# KiCad board JumperlessV5r6.kicad_pcb (continued)
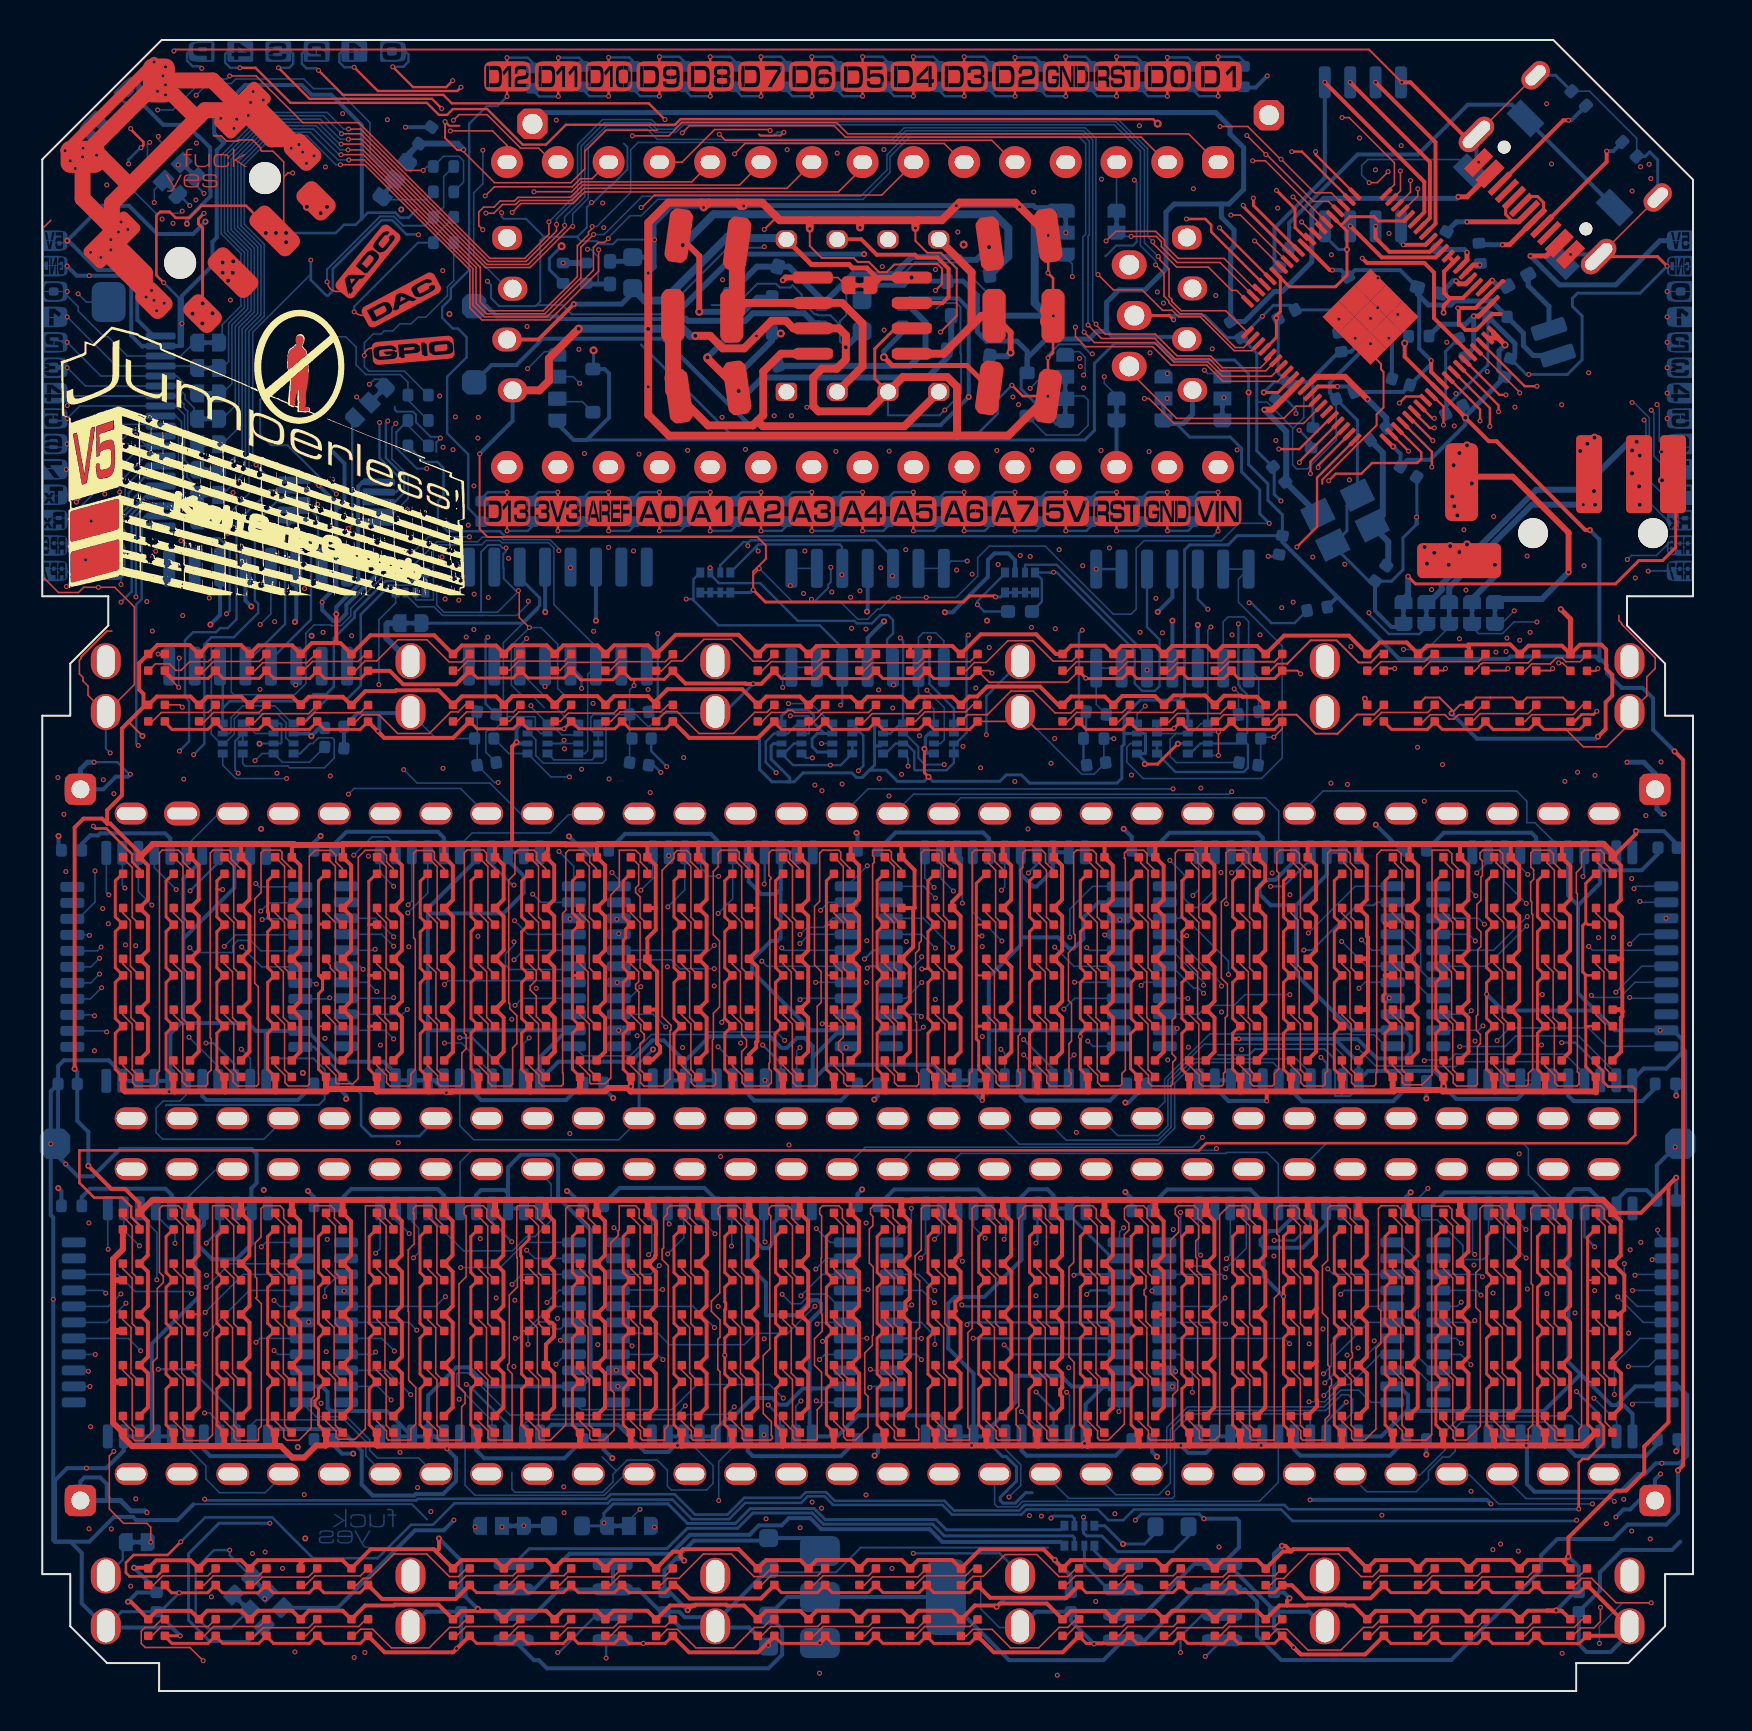
[diagram p0: board, top side]
## Routing (per net, layer and track width the routed paths; a pad name or vN(x,y) marks a point on that pad's centre or on a via; arc(x,y) is an arc through that point) (continued)
Net-(D1711-DOUT): length 3.7
  Top w0.08: 8.64,6.11 8.28,5.76 6.02,5.76 5.55,5.29 5.28,5.29
Net-(D1712-DOUT): length 3.7
  Top w0.08: 11.18,6.11 10.82,5.76 8.55,5.76 8.08,5.29 7.82,5.29 7.81,5.28
Net-(D1713-DOUT): length 3.7
  Top w0.08: 10.35,5.28 10.36,5.29 10.59,5.29 11,5.7 13.3,5.7 13.72,6.11
Net-(D1714-DOUT): length 3.7
  Top w0.08: 12.89,5.28 13.15,5.28 13.63,5.76 15.9,5.76 16.26,6.11
Net-(D1715-DOUT): length 7.2
  Top w0.08: D1716.4 21.22,6.13 20.81,5.72 20.36,5.72 19.23,6.85 17.59,6.85 16.37,5.64 16.05,5.64 15.71,5.3 D1715.1
Net-(D1716-DOUT): length 3.7
  Top w0.08: 23.89,6.12 23.54,5.77 21.19,5.77 20.73,5.3 D1716.1
Net-(D1717-DOUT): length 3.7
  Top w0.08: 23.06,5.29 23.07,5.3 23.34,5.3 23.8,5.77 26.08,5.77 26.43,6.12
Net-(D1718-DOUT): length 3.7
  Top w0.08: 28.97,6.12 28.56,5.71 26.28,5.71 25.88,5.3 25.61,5.3 25.6,5.29
Net-(D1719-DOUT): length 3.7
  Top w0.08: 31.51,6.12 31.16,5.77 28.88,5.77 28.41,5.29 28.14,5.29
Net-(D1720-DOUT): length 7.2
  Top w0.08: D1720.1 30.93,5.3 31.26,5.64 31.84,5.64 33.06,6.85 34.46,6.85 35.59,5.72 36.05,5.72 36.46,6.13 D1721.4
Net-(D1721-DOUT): length 3.7
  Top w0.08: 39.13,6.12 38.78,5.77 36.43,5.77 35.97,5.3 D1721.1
Net-(D1722-DOUT): length 3.7
  Top w0.08: 38.3,5.29 38.31,5.3 38.58,5.3 39.04,5.77 41.32,5.77 41.67,6.12
Net-(D1723-DOUT): length 3.7
  Top w0.08: 44.21,6.12 43.8,5.71 41.52,5.71 41.12,5.3 40.85,5.3 40.84,5.29
Net-(D1724-DOUT): length 3.7
  Top w0.08: 43.38,5.29 43.65,5.29 44.12,5.76 46.18,5.76 46.53,6.12 46.75,6.12
Net-(D1725-DOUT): length 7.2
  Top w0.08: D1725.1 46.1,5.29 46.54,5.73 47.06,5.73 48.15,6.82 49.73,6.82 50.84,5.72 51.29,5.72 51.7,6.13 D1726.4
Net-(D1726-DOUT): length 3.7
  Top w0.08: 54.37,6.12 54.02,5.77 51.67,5.77 51.21,5.3 D1726.1
Net-(D1727-DOUT): length 3.7
  Top w0.08: 53.54,5.29 53.55,5.3 53.82,5.3 54.28,5.77 56.56,5.77 56.91,6.12
Net-(D1728-DOUT): length 3.7
  Top w0.08: 59.45,6.12 59.04,5.71 56.76,5.71 56.36,5.3 56.09,5.3 56.08,5.29
Net-(D1729-DOUT): length 3.7
  Top w0.08: 61.99,6.12 61.64,5.77 59.36,5.77 58.89,5.29 58.62,5.29
Net-(D1730-DOUT): length 7.2
  Top w0.08: D1731.4 66.94,6.13 66.53,5.72 65.96,5.72 64.83,6.85 63.31,6.85 62.08,5.62 61.73,5.62 61.4,5.29 D1730.1
Net-(D1731-DOUT): length 3.7
  Top w0.08: 69.61,6.12 69.26,5.77 66.91,5.77 66.45,5.3 D1731.1
Net-(D1732-DOUT): length 3.7
  Top w0.08: 68.78,5.29 68.79,5.3 69.06,5.3 69.52,5.77 71.8,5.77 72.15,6.12
Net-(D1733-DOUT): length 3.7
  Top w0.08: 74.69,6.12 74.28,5.71 72,5.71 71.6,5.3 71.33,5.3 71.32,5.29
Net-(D1734-DOUT): length 3.7
  Top w0.08: 73.86,5.29 74.13,5.29 74.6,5.77 76.88,5.77 77.23,6.12
Net-(D1735-DOUT): length 89
  Top w0.08: D1735.1 76.65,5.3 76.98,5.64 77.48,5.64 78.7,4.41 v1(80.46,4.41) ; D1736.4 5.98,3.59 5.57,3.18 5.13,3.18 4.95,3 4.95,2.38 5.15,2.18 7.38,2.18 v1(8.04,1.52)
  In1.Cu w0.08: v1(80.46,4.41) 80.46,2.88 79.74,2.16 78.09,2.16 v1(77.87,2.38) 75.56,2.38 74.46,1.29 8.27,1.29 v1(8.04,1.52)
  Bottom w0.08: v1(77.87,2.38) 77.87,3.24 79.04,4.41 v1(80.46,4.41)
Net-(D1736-DOUT): length 3.7
  Top w0.08: 8.65,3.58 8.3,3.23 5.95,3.23 5.49,2.76 D1736.1
Net-(D1737-DOUT): length 3.7
  Top w0.08: 7.82,2.75 7.83,2.76 8.1,2.76 8.56,3.23 10.84,3.23 11.19,3.58
Net-(D1738-DOUT): length 3.7
  Top w0.08: 13.73,3.58 13.32,3.17 11.04,3.17 10.64,2.76 10.37,2.76 10.36,2.75
Net-(D1739-DOUT): length 3.7
  Top w0.08: 12.9,2.75 13.17,2.75 13.64,3.23 15.83,3.23 16.18,3.58 16.27,3.58
Net-(D1740-DOUT): length 7
  Top w0.08: D1740.1 15.59,2.76 15.92,3.09 16.52,3.09 17.46,2.16 19.34,2.16 20.37,3.18 20.81,3.18 21.22,3.59 D1741.4
Net-(D1741-DOUT): length 3.7
  Top w0.08: D1741.1 20.73,2.76 21.19,3.23 23.54,3.23 23.89,3.58
Net-(D1742-DOUT): length 3.7
  Top w0.08: 23.06,2.75 23.07,2.76 23.34,2.76 23.8,3.23 26.08,3.23 26.43,3.58
Net-(D1743-DOUT): length 3.7
  Top w0.08: 25.6,2.75 25.61,2.76 25.88,2.76 26.28,3.17 28.56,3.17 28.97,3.58
Net-(D1744-DOUT): length 3.7
  Top w0.08: 28.14,2.75 28.41,2.75 28.88,3.23 31.16,3.23 31.51,3.58
Net-(D1745-DOUT): length 7
  Top w0.08: D1745.1 30.92,2.75 31.25,3.08 31.76,3.08 32.69,2.16 34.58,2.16 35.61,3.18 36.05,3.18 36.46,3.59 D1746.4
Net-(D1746-DOUT): length 3.7
  Top w0.08: D1746.1 35.97,2.76 36.43,3.23 38.78,3.23 39.13,3.58
Net-(D1747-DOUT): length 3.7
  Top w0.08: 38.3,2.75 38.31,2.76 38.58,2.76 39.04,3.23 41.32,3.23 41.67,3.58
Net-(D1748-DOUT): length 3.7
  Top w0.08: 40.84,2.75 40.85,2.76 41.12,2.76 41.52,3.17 43.8,3.17 44.21,3.58
Net-(D1749-DOUT): length 3.7
  Top w0.08: 43.38,2.75 43.65,2.75 44.12,3.23 46.4,3.23 46.75,3.58
Net-(D1750-DOUT): length 7
  Top w0.08: D1751.4 51.7,3.59 51.29,3.18 50.85,3.18 49.82,2.16 48.42,2.16 47.5,3.08 46.54,3.08 46.21,2.75 D1750.1
Net-(D1751-DOUT): length 3.7
  Top w0.08: D1751.1 51.21,2.76 51.67,3.23 54.02,3.23 54.37,3.58
Net-(D1752-DOUT): length 3.7
  Top w0.08: 53.54,2.75 53.55,2.76 53.82,2.76 54.28,3.23 56.56,3.23 56.91,3.58
Net-(D1753-DOUT): length 3.7
  Top w0.08: 56.08,2.75 56.09,2.76 56.36,2.76 56.76,3.17 59.04,3.17 59.45,3.58
Net-(D1754-DOUT): length 3.7
  Top w0.08: 61.99,3.58 61.64,3.23 59.36,3.23 58.89,2.75 58.62,2.75
Net-(D1755-DOUT): length 7.1
  Top w0.08: D1755.1 61.41,2.76 61.74,3.09 62.24,3.09 63.29,2.05 64.94,2.05 66.07,3.18 66.53,3.18 66.94,3.59 D1756.4
Net-(D1756-DOUT): length 3.7
  Top w0.08: 69.61,3.58 69.26,3.23 66.91,3.23 66.45,2.76 D1756.1
Net-(D1757-DOUT): length 3.7
  Top w0.08: 68.78,2.75 68.79,2.76 69.06,2.76 69.52,3.23 71.8,3.23 72.15,3.58
Net-(D1758-DOUT): length 3.7
  Top w0.08: 71.32,2.75 71.33,2.76 71.6,2.76 72,3.17 74.28,3.17 74.69,3.58
Net-(D1759-DOUT): length 3.7
  Top w0.08: 73.86,2.75 74.13,2.75 74.56,3.18 76.62,3.18 77.01,3.58 77.23,3.58
Net-(D1760-DOUT): length 96.3
  Top w0.08: v1(77.92,4.18) 77.92,3.48 77.6,3.16 76.94,3.16 76.54,2.76 D1760.1
  In2.Cu w0.08: v1(77.92,4.18) 77.92,7.31 79.35,8.74 79.35,10.17 79.71,10.52 79.71,12.48 80.07,12.85 80.06,12.86 80.06,21.84 80.2,21.98 80.2,40.95 79.76,41.39 79.76,41.64 79.22,42.17 79.22,44.18 78.08,45.32 78.08,49.46 78.44,49.82 78.44,50.38 78.13,50.68 78.13,63.38 76.1,65.42 76.1,77.5 72.06,81.53 64.08,81.53 TP20.1
Net-(I1-X11): length 43.9
  In1.Cu w0.08: v1(37.89,34.57) 37.88,34.56 23.49,34.56 23.32,34.39 23.32,33.74 v1(23.48,33.59)
  In2.Cu w0.08: v1(23.48,33.59) 23.61,33.46 23.61,22.97 23.21,22.57 23.21,12.61 23.6,12.22 23.6,8.81 v1(22.99,8.2)
  Bottom w0.08: I1.8 37.95,34.63 v1(37.89,34.57)
Net-(J2-CC1): length 6.1
  Top w0.2: v1(78.23,76.99) 78.23,76.46 J2.A5
  Bottom w0.2: v1(78.23,76.99) 78.56,76.99 R25.1
Net-(J2-CC2): length 5.9
  Top w0.2: J2.B5 76.06,78.54 v1(76.33,78.54)
  Bottom w0.2: R28.1 76.46,78.54 v1(76.33,78.54)
Net-(J3-R1): length 9
  Top w0.3: v3(72.64,56.31) 72.16,56.79 71.02,56.79 v3(70.87,56.95)
  Bottom w0.3: 70.23,56.95 70.23,56.41 v3(70.33,56.31) 70.33,57.17 v3(70.41,57.24) ; 70.23,56.95 v3(70.87,56.95) v3(71.25,57.33) ; 70.23,56.95 69.65,56.95 v3(69.61,56.91) ; JP16.2 72.64,55.74 v3(72.64,56.31) ; v3(69.12,57.2) 69.41,56.91 v3(69.61,56.91) ; v3(69.61,56.91) 69.61,56.74 v3(69.24,56.37)
Net-(J3-R2): length 14.5
  Top w0.3: 77.34,62.15 77.34,60.62 77.35,60.62 77.35,59.48
  Bottom w0.08: v3(77.6,59.99) 77.6,59.37 v3(77.65,59.32) v1(77.06,59.32) ; v3(77.62,62.67) 77.58,62.67 v3(76.91,62)
  Bottom w0.3: JP15.2 70.36,55.18 74.5,59.32 v3(77.65,59.32)
  vias: v3(77.27,62.36)
Net-(J3-R3): length 23.1
  Top w0.3: 79.85,60.62 79.85,61.74 v3(79.88,61.77) 79.88,60.26 v3(79.86,60.23) 79.86,60.61 79.85,60.62 ; 79.85,60.62 79.88,60.58 v3(79.88,59.32) ; 79.85,60.62 79.77,60.62 v3(79.5,60.88)
  Bottom w0.3: v3(79.73,62.47) 79.36,62.47 76.96,60.06 74.71,60.06 69.98,55.34 69.98,55.06 69.52,54.6 JP14.2 ; v3(79.73,62.47) 79.88,62.32 v3(79.88,61.77) 79.76,61.77 v3(79.5,62.03) 79.73,62.26 v3(79.73,62.47) ; v3(79.88,59.32) 79.5,59.7 v3(79.5,60.88) 79.86,60.53 v3(79.86,60.23)
Net-(J3-S): length 23.4
  Top w0.08: 81.58,61.12 81.58,60.88 J3.1 81.53,60.87 81.48,60.87 81.48,61.45 v1(80.98,61.96) 80.98,60.56 v3(81,60.54) 81.58,61.12
  Top w0.15: J3.1 81.69,60.71 81.69,57.18 81.03,56.52 79.84,56.52 78.67,55.35 68.67,55.35 v1(68.3,55.72)
  Top w0.3: 81.55,60.06 81.69,59.92
  Bottom w0.3: v1(68.3,55.72) 68.3,54.83 JP13.2
Net-(J3-T): length 24.1
  Top w0.3: 70.98,60.72 73.53,60.72 76.33,57.92 v1(76.33,55.94) ; 70.98,60.72 71.15,60.72 v3(71.49,60.38) ; 70.98,60.72 70.87,60.83 v3(70.87,61.9) ; 70.98,60.72 70.98,59.6 v3(70.61,59.24)
  In2.Cu w0.3: v3(70.51,59.72) 70.51,59.34 v3(70.61,59.24)
  Bottom w0.3: v1(76.33,55.94) 74.99,54.6 JP17.2 ; v3(71.25,62.28) 71.49,62.04 v3(71.49,60.38) v3(70.58,61.29) 70.87,61.58 v3(70.87,61.9) 70.54,61.57 70.54,59.32 v3(70.61,59.24) 70.61,58.94 v3(70.76,58.78)
Net-(J6-X11): length 19.1
  In1.Cu w0.08: v1(38.97,9.14) 38.85,9.02 29.95,9.02 v1(29.89,9.08)
  In2.Cu w0.08: v1(38.87,16.57) 39.01,16.43 39.01,9.18 v1(38.97,9.14)
  Bottom w0.08: J6.8 39.13,16.83 v1(38.87,16.57) ; v1(29.89,9.08) 29.34,8.53 JP6.2
Net-(J12-Pin_1): length 135.8
  In1.Cu w0.2: v1(80.41,7.61) 79.42,7.61 79.32,7.7 51.51,7.7 51.35,7.86 20.77,7.86 20.35,8.28 11.7,8.28 11.4,7.98 4.04,7.98 2.5,9.53 J15.1
  In1.Cu w0.25: v1(5.23,8.92) 5.23,8.89 6.15,7.98
  In2.Cu w0.2: v1(80.41,7.61) 81.08,7.61 81.79,8.31 81.79,10.4 81.36,10.83 81.36,38.33 81.53,38.5 81.53,44.2 J12.1
  In2.Cu w0.25: v1(81.1,43.85) 81.28,43.67 81.53,43.67 ; 81.53,43.67 81.53,44.16 v1(79.25,46.44) ; 81.53,43.67 81.53,43.37
  Bottom w0.2: J15.1 1.91,10.47 2.11,10.68 2.9,10.68 3.23,10.35 3.23,9.75 3.45,9.53
  Bottom w0.25: 3.91,9.53 4.43,9 5.15,9 v1(5.23,8.92) ; 3.91,9.53 3.45,9.53 ; 3.91,9.53 J15.1 ; v1(79.25,46.44) 80.09,46.44 80.65,45.88 J12.1 80.75,44.98 80.75,44.1 81,43.85 v1(81.1,43.85)
Net-(J13-Pin_1): length 97.3
  In1.Cu w0.12: v1(80.92,10.85) 80.44,10.85 79.48,9.89 79.48,9.48 v1(78.69,8.69)
  In1.Cu w0.2: v1(75.23,79.36) 74.71,79.36 72.35,81.72 62.22,81.72 v1(61.26,80.76)
  In2.Cu w0.13: 78.35,51.19 78.35,50.76 78.65,50.46 78.65,49.74 78.35,49.44 78.35,49.33
  In2.Cu w0.2: 78.35,51.19 78.35,71.28 78.9,71.83 78.9,75.51 75.23,79.18 v1(75.23,79.36) ; 80.59,11.11 80.84,10.85 v1(80.92,10.85) ; 80.59,11.11 80.59,21.19 80.83,21.43 80.83,22.15 80.46,22.52 80.46,42.81 79.45,43.81 79.45,44.33 78.35,45.43 78.35,49.33 ; 80.59,11.11 80.59,9.58 J13.1
  Bottom w0.2: v1(78.69,8.69) 79.07,9.08 79.4,9.08 79.85,9.53 J13.1 80.65,10.57 v1(80.92,10.85) ; R31.1 60.11,80.17 60.67,80.17 v1(61.26,80.76)
Net-(J1711-Pin_1): length 3.8
  Top w0.12: 23.24,58.24 v1(23.24,58.01) ; v1(23.24,59.94) 23.24,59.64
  Bottom w0.12: v1(23.24,58.01) 24.28,58.01 24.51,58.24 R40.1 ; v1(23.24,59.94) 22.28,59.94 21.97,59.64 21.97,59.41
Net-(J1711-Pin_2): length 3.8
  Top w0.12: 25.78,58.24 v1(25.78,58.01) ; v1(25.78,59.94) 25.78,59.64
  Bottom w0.12: 27.05,58.47 27.05,58.24 26.82,58.01 v1(25.78,58.01) ; v1(25.78,59.94) 24.82,59.94 24.51,59.64 24.51,59.41
Net-(J1711-Pin_3): length 3.8
  Top w0.12: v1(28.32,59.94) 28.32,59.64 ; 28.32,58.24 v1(28.32,58.01)
  Bottom w0.12: 27.05,59.41 27.05,59.64 27.36,59.94 v1(28.32,59.94) ; 29.59,58.47 29.59,58.24 29.36,58.01 v1(28.32,58.01)
Net-(J1711-Pin_4): length 3.8
  Top w0.12: 30.86,58.24 v1(30.86,58.01) ; v1(30.86,59.94) 30.86,59.64
  Bottom w0.12: 32.13,58.47 32.13,58.24 31.9,58.01 v1(30.86,58.01) ; v1(30.86,59.94) 29.9,59.94 29.59,59.64 29.59,59.41
Net-(J1711-Pin_5): length 3.8
  Top w0.12: v1(33.4,59.94) 33.4,59.64 ; 33.4,58.24 v1(33.4,58.01)
  Bottom w0.12: v1(33.4,59.94) 32.44,59.94 32.13,59.64 32.13,59.41 ; 34.67,58.47 34.67,58.24 34.44,58.01 v1(33.4,58.01)
Net-(J1711-Pin_6): length 3.8
  Top w0.12: 35.94,58.24 v1(35.94,58.01) ; v1(35.94,59.94) 35.94,59.64
  Bottom w0.12: 37.21,58.47 37.21,58.24 36.98,58.01 v1(35.94,58.01) ; v1(35.94,59.94) 34.98,59.94 34.67,59.64 34.67,59.41
Net-(J1711-Pin_7): length 3.8
  Top w0.12: 38.48,58.24 v1(38.48,58.01) ; v1(38.48,59.94) 38.48,59.64
  Bottom w0.12: v1(38.48,59.94) 37.52,59.94 37.21,59.64 37.21,59.41 ; v1(38.48,58.01) 39.52,58.01 39.75,58.24 39.75,58.47
Net-(J1711-Pin_8): length 3.8
  Top w0.12: 41.02,58.24 v1(41.02,58.01) ; v1(41.02,59.94) 41.02,59.64
  Bottom w0.12: 39.75,59.41 39.75,59.64 40.06,59.94 v1(41.02,59.94) ; 42.29,58.47 42.29,58.24 42.06,58.01 v1(41.02,58.01)
Net-(J1711-Pin_9): length 3.8
  Top w0.12: 43.56,58.24 v1(43.56,58.01) ; v1(43.56,59.94) 43.56,59.64
  Bottom w0.12: v1(43.56,59.94) 42.6,59.94 42.29,59.64 42.29,59.41 ; v1(43.56,58.01) 44.6,58.01 44.83,58.24 44.83,58.47
Net-(J1711-Pin_10): length 3.8
  Top w0.12: v1(46.1,59.94) 46.1,59.64 ; 46.1,58.24 v1(46.1,58.01)
  Bottom w0.12: v1(46.1,58.01) 47.14,58.01 47.37,58.24 47.37,58.47 ; 44.83,59.41 44.83,59.64 45.14,59.94 v1(46.1,59.94)
Net-(J1711-Pin_11): length 3.8
  Top w0.12: 48.64,58.24 v1(48.64,58.01) ; v1(48.64,59.94) 48.64,59.64
  Bottom w0.12: v1(48.64,59.94) 47.68,59.94 47.37,59.64 47.37,59.41 ; 49.91,58.47 49.91,58.24 49.68,58.01 v1(48.64,58.01)
Net-(J1711-Pin_12): length 3.8
  Top w0.12: 51.18,58.24 v1(51.18,58.01) ; v1(51.18,59.94) 51.18,59.64
  Bottom w0.12: 52.45,58.47 52.45,58.24 52.22,58.01 v1(51.18,58.01) ; 49.91,59.41 49.91,59.64 50.22,59.94 v1(51.18,59.94)
Net-(J1711-Pin_13): length 3.8
  Top w0.12: v1(53.72,59.94) 53.72,59.64 ; 53.72,58.24 v1(53.72,58.01)
  Bottom w0.12: 52.45,59.41 52.45,59.64 52.76,59.94 v1(53.72,59.94) ; v1(53.72,58.01) 54.76,58.01 54.99,58.24 54.99,58.47
Net-(J1711-Pin_14): length 3.8
  Top w0.12: 56.26,58.24 v1(56.26,58.01) ; v1(56.26,59.94) 56.26,59.64
  Bottom w0.12: 54.99,59.41 54.99,59.64 55.3,59.94 v1(56.26,59.94) ; v1(56.26,58.01) 57.3,58.01 57.53,58.24 57.53,58.47
Net-(J1711-Pin_15): length 46.6
  Top w0.12: 58.8,58.24 v1(58.8,58.01) ; v1(58.8,59.94) 58.8,59.64
  Bottom w0.12: R38.1 19.09,61.45 19.76,61.45 20.07,61.15 20.07,59.77 19.79,59.49 19.79,58.47 20.27,57.99 22.89,57.99 23.13,57.74 58.54,57.74 v1(58.8,58.01) ; v1(58.8,59.94) 57.84,59.94 57.53,59.64 57.53,59.41
Net-(J1712-Pin_1): length 26.8
  Top w0.12: v1(23.24,79.73) 23.24,80.03 ; 23.24,81.43 v1(23.24,81.67)
  Bottom w0.12: 24.51,81.2 24.51,81.43 24.28,81.67 v1(23.24,81.67) ; R39.1 21.3,59.14 21.3,61.83 20.24,62.89 20.24,65.71 21.22,66.69 21.22,67.69 20.79,68.12 20.53,68.12 20,68.66 20,69.19 20.43,69.62 20.43,70.13 21.35,71.05 21.35,76.94 21.35,76.95 21.35,77.18 21.35,77.19 21.35,78.36 22.23,79.25 22.76,79.25 v1(23.24,79.73)
Net-(J1712-Pin_2): length 3.5
  Top w0.12: 25.81,80.03 v1(25.81,79.73) ; 25.81,81.43 v1(25.81,81.67)
  Bottom w0.12: 24.54,80.03 24.84,79.73 v1(25.81,79.73) ; v1(25.81,81.67) 26.84,81.67 27.08,81.43 27.08,81.2
Net-(J1712-Pin_3): length 3.8
  Top w0.12: v1(28.32,79.74) 28.32,80.05 ; 28.32,81.44 v1(28.32,81.68)
  Bottom w0.12: v1(28.32,79.74) 27.36,79.74 27.05,80.05 27.05,80.27 ; 29.59,81.22 29.59,81.44 29.36,81.68 v1(28.32,81.68)
Net-(J1712-Pin_4): length 3.8
  Top w0.12: 30.86,81.44 v1(30.86,81.71) ; v1(30.86,79.74) 30.86,80.05
  Bottom w0.12: 32.13,81.22 32.13,81.44 31.86,81.71 v1(30.86,81.71) ; v1(30.86,79.74) 29.9,79.74 29.59,80.05 29.59,80.27
Net-(J1712-Pin_5): length 3.8
  Top w0.12: v1(33.4,79.74) 33.4,79.74 33.4,80.05 ; 33.4,81.44 v1(33.4,81.71)
  Bottom w0.12: 34.67,81.22 34.67,81.44 34.4,81.71 v1(33.4,81.71) ; 32.13,80.27 32.13,80.05 32.44,79.74 v1(33.4,79.74)
Net-(J1712-Pin_6): length 3.8
  Top w0.12: v1(35.94,79.74) 35.94,80.05 ; 35.94,81.44 v1(35.94,81.71)
  Bottom w0.12: 34.67,80.27 34.67,80.05 34.98,79.74 v1(35.94,79.74) ; v1(35.94,81.71) 36.94,81.71 37.21,81.44 37.21,81.22
Net-(J1712-Pin_7): length 3.8
  Top w0.12: v1(38.48,79.74) 38.48,79.74 38.48,80.05 ; 38.48,81.44 v1(38.48,81.71)
  Bottom w0.12: v1(38.48,79.74) 37.52,79.74 37.21,80.05 37.21,80.27 ; 39.75,81.22 39.75,81.44 39.48,81.71 v1(38.48,81.71)
Net-(J1712-Pin_8): length 3.8
  Top w0.12: v1(41.02,79.74) 41.02,80.05 ; 41.02,81.44 v1(41.02,81.71)
  Bottom w0.12: v1(41.02,81.71) 42.02,81.71 42.29,81.44 42.29,81.22 ; 39.75,80.27 39.75,80.05 40.06,79.74 v1(41.02,79.74)
Net-(J1712-Pin_9): length 3.8
  Top w0.12: 43.56,80.05 43.56,79.74 v1(43.56,79.74) ; 43.56,81.44 v1(43.56,81.71)
  Bottom w0.12: 44.83,81.22 44.83,81.44 44.56,81.71 v1(43.56,81.71) ; v1(43.56,79.74) 42.6,79.74 42.29,80.05 42.29,80.27
Net-(J1712-Pin_10): length 3.8
  Top w0.12: 46.1,80.05 v1(46.1,79.74) ; 46.1,81.44 v1(46.1,81.71)
  Bottom w0.12: 47.37,81.22 47.37,81.44 47.1,81.71 v1(46.1,81.71) ; v1(46.1,79.74) 45.14,79.74 44.83,80.05 44.83,80.27
Net-(J1712-Pin_11): length 3.8
  Top w0.12: v1(48.64,79.74) 48.64,79.74 48.64,80.05 ; 48.64,81.44 v1(48.64,81.68)
  Bottom w0.12: 49.91,81.22 49.91,81.44 49.68,81.68 v1(48.64,81.68) ; 47.37,80.27 47.37,80.05 47.68,79.74 v1(48.64,79.74)
Net-(J1712-Pin_12): length 3.8
  Top w0.12: 51.18,81.44 v1(51.18,81.71) ; v1(51.18,79.74) 51.18,80.05
  Bottom w0.12: v1(51.18,81.71) 52.18,81.71 52.45,81.44 52.45,81.22 ; 49.91,80.27 49.91,80.05 50.22,79.74 v1(51.18,79.74)
Net-(J1712-Pin_13): length 3.8
  Top w0.12: v1(53.72,79.74) 53.72,80.05 ; 53.72,81.44 v1(53.72,81.71)
  Bottom w0.12: v1(53.72,81.71) 54.72,81.71 54.99,81.44 54.99,81.22 ; 52.45,80.27 52.45,80.05 52.76,79.74 v1(53.72,79.74)
Net-(J1712-Pin_14): length 3.8
  Top w0.12: 56.26,81.44 v1(56.26,81.68) ; v1(56.26,79.74) 56.26,80.05
  Bottom w0.12: v1(56.26,81.68) 57.3,81.68 57.53,81.44 57.53,81.22 ; 54.99,80.27 54.99,80.05 55.3,79.74 v1(56.26,79.74)
Net-(J1712-Pin_15): length 3.8
  Top w0.12: 58.8,81.46 v1(58.8,81.71) ; 58.8,80.06 58.8,79.74 v1(58.8,79.74)
  Bottom w0.12: R31.2 60.07,81.5 59.86,81.71 v1(58.8,81.71) ; 57.53,80.29 57.53,80.06 57.85,79.74 v1(58.8,79.74)
Net-(JP3-A): length 26.8
  Bottom w0.08: 24.87,54.27 24.87,54.23 24.81,54.16 ; 23.25,48.69 23.25,49.25 23.05,49.45 23.05,52.41 24.81,54.16 ; 23.25,48.69 23.27,48.72 24.65,48.72 24.65,48.16 24.93,47.88 RN4.2 ; 23.25,48.69 22.61,48.06 22.28,48.06 22.18,47.95 22.18,46.94 C1806.1 ; 24.81,54.16 24.81,54.09 24.11,53.39 JP3.1
  Bottom w0.15: JP3.1 23.99,53.39 24.87,54.27 24.87,54.66 23.88,55.66 U1807.3
Net-(JP4-A): length 78.7
  Top w0.08: v1(5.42,7.44) 5.42,8.19 5.23,8.39 4.07,8.39 3.35,9.1 3.35,11.76 v1(3.58,11.98)
  In1.Cu w0.08: v1(26.36,45.71) 25.8,45.15 3.86,45.15 v1(3.58,44.86)
  In2.Cu w0.08: v1(26.36,45.71) 26.36,47.6 26.55,47.79 26.55,49.57 26.36,49.76 26.36,56.11 v1(26.42,56.17) ; v1(3.58,44.86) 3.45,44.74 3.45,43.34 2.24,42.12 2.24,38.69 2.72,38.21 2.72,37.47 2.51,37.27 2.51,34.5 2.95,34.07 2.95,32.42 3.12,32.24 3.12,22.6 3.54,22.18 3.54,12.02 v1(3.58,11.98) 3.54,11.95
  Bottom w0.08: C1807.1 23.33,46.88 RN4.5 25.43,45.71 v1(26.36,45.71)
Net-(JP10-C): length 3.5
  In2.Cu w0.2: A1.4 v1(51.18,72.92)
Net-(JP11-A): length 2.8
  Bottom w0.08: R33.2 19.16,74.56 JP11.1
Net-(JP11-C): length 40.6
  In2.Cu w0.08: v1(2.17,56.56) 2.17,57.42 2.97,58.22 2.97,59.14 2.06,60.05 2.06,72.55 3.53,74.02 3.53,77.2 4,77.66 4.17,77.66 4.39,77.88 5.61,77.88 7.52,79.79 v1(7.7,79.79)
  Bottom w0.08: 2.06,56.56 v1(2.17,56.56) ; v1(7.7,79.79) 8.28,80.37 9.45,80.37 9.68,80.6 13.08,80.6 13.56,80.12 14.69,80.12 16.39,78.41 16.39,76.81 JP11.2
Net-(JP12-C): length 3.7
  In2.Cu w0.2: v1(56.25,64.63) 56.26,64.62 56.26,61.14
  Bottom w0.2: JP12.2 56.17,64.62 56.17,64.63 v1(56.25,64.63)
Net-(JP33-A): length 17.2
  Top w0.08: U5.18 60.68,70.05 59.1,71.63 56.8,71.63 56.12,72.32 56.12,72.54 55.68,72.98 53.68,72.98 v1(53.2,72.5)
  In2.Cu w0.08: v1(53.2,72.5) 53.11,72.41 v1(53.11,65.72)
  Bottom w0.08: JP7.2 53.11,65.39 v1(53.11,65.72)
Net-(JP33-B): length 8.2
  Top w0.08: v1(54.45,72.73) 55.7,72.73 55.96,72.47 55.96,72.22 56.75,71.43 58.89,71.43 U5.19
  Bottom w0.08: JP8.2 53.76,72.73 v1(54.45,72.73)
Net-(L2-Pad2): length 3.2
  Bottom w0.25: L2.2 75.35,69.23 74.31,70.27 R90.1
Net-(R32-Pad1): length 11.5
  Top w0.08: TP18.1 14.73,69.98 arc(14.43,70.09) 14.28,70.37 14.28,70.42 v1(14.24,70.46)
  Bottom w0.08: R34.2 20.08,74.21 20.08,75.73 R32.1
  Bottom w0.1: R34.2 19.14,73.27 18.04,73.27 17.58,73.73 16.89,73.73 14.24,71.08 v1(14.24,70.46)
Net-(R34-Pad1): length 7.9
  Top w0.08: TP24.1 16.03,68.78 arc(15.79,68.83) v1(15.6,68.96)
  Bottom w0.08: R34.1 19.56,72.67 R35.2
  Bottom w0.1: v1(15.6,68.96) 15.6,69.22 18.79,72.42 R35.2
Net-(R35-Pad1): length 13.8
  Top w0.08: 16.7,67.38 16.48,67.15 arc(16.21,67.04) v1(16.1,66.78)
  Top w0.1: TP16.1 16.7,67.38
  Bottom w0.08: R35.1 20.58,70.52 20.26,70.2 20.26,69.77 19.18,68.69 18.78,68.69 18.45,68.36 17.88,68.36 17.53,68 17.09,68 16.94,67.85 16.54,67.85 16.1,67.41 v1(16.1,66.78) 16.1,66.23 16.33,66 18.1,66 R36.2
Net-(RN2A-R1.1): length 1.7
  Bottom w0.15: 53.87,6.55 53.07,6.55 52.61,7.01 RN2.1
Net-(RN2B-R2.1): length 3.2
  Bottom w0.15: RN2.2 52.11,6.29 53.17,5.23 53.92,5.23
Net-(RN2C-R3.1): length 30
  Bottom w0.15: U4.8 24.35,7.11 31.24,7.11 32.26,8.14 34.77,8.14 35.53,8.9 38.51,8.9 39.06,8.34 44.52,8.34 45.11,7.75 51.52,7.75 51.61,7.66 RN2.3
Net-(RN2D-R4.1): length 30.6
  Bottom w0.2: 23.81,5.08 23.56,5.08 ; RN2.4 50.92,7.45 45.01,7.45 44.37,8.09 38.96,8.09 38.41,8.64 37.34,8.64 36.98,8.28 35.83,8.28 35.36,7.81 32.39,7.81 31.44,6.87 26.37,6.87 24.58,5.08 U4.7 22.8,5.08
Net-(RN7A-R1.2): length 7.2
  In1.Cu w0.08: v1(59.61,50.11) 58.99,49.49 55.4,49.49 v1(55.16,49.25)
  Bottom w0.08: v1(59.61,50.11) 59.82,49.89 R81.2 ; v1(55.16,49.25) 54.75,48.83 RN7.8
Net-(RN7C-R3.2): length 21.7
  Bottom w0.08: U7.6 U7.7 59.82,55.59 59.82,54.44 62.01,52.25 62.01,46.66 60.97,45.62 55.06,45.62 54.24,46.44 54.24,47.2 54.42,47.38 RN7.6
Net-(RN8D-R4.2): length 87.7
  In2.Cu w0.08: v1(11.13,4.61) 10.08,5.65 10.08,7.12 10.62,7.65 10.62,13.98 9.91,14.69 9.91,24.98 10.46,25.53 10.46,29.27 10.36,29.37 10.36,37.88 10.11,38.13 10.11,40.34 10.48,40.71 10.48,43.28 10.64,43.44 v1(10.64,46.52) 10.41,46.74 10.41,52.84 v1(10.9,53.32) 9.92,54.3 9.92,58.89 8.32,60.49 8.32,68.14 8.84,68.66 8.84,69.34 8.7,69.49 8.7,72.44 7.17,73.97 7.02,73.97 v1(6.99,73.99)
  Bottom w0.08: v1(10.9,53.32) 11.43,53.86 U10.5 ; U12.3 11.13,4.83 v1(11.13,4.61) ; NOREF#5.4 2.13,77.76 3.97,75.92 3.97,75.59 5.67,73.89 6.89,73.89 v1(6.99,73.99) ; C10.1 13.36,46.44 12,46.44 RN8.5 10.99,46.88 v1(10.64,46.52)
Net-(RN10A-R1.1): length 1.7
  Bottom w0.08: RN10.1 10.17,48.38 10.67,47.88 RN8.7
Net-(RN10A-R1.2): length 18.9
  Bottom w0.08: 19.04,55.47 19.17,55.59 RN12.8
  Bottom w0.13: U10.14 9.03,51.11 RN10.8 9.03,49.14 9.37,49.49 13.21,49.49 13.56,49.84 14.2,49.84 14.58,50.22 14.58,52.64 15.62,53.68 15.62,53.96 17.16,55.5 19.12,55.5 19.17,55.54 RN12.8
Net-(RN10B-R2.2): length 16.8
  Bottom w0.08: RN8.1 12.51,48.38 11.63,49.26 10.02,49.26 9.44,48.68 9.44,47.96 9.36,47.88 RN10.7 ; 17.35,55.29 19.13,55.29 19.17,55.25 RN12.1
  Bottom w0.1: 17.35,55.29 17.35,55.25 17.22,55.13
  Bottom w0.13: 17.22,55.13 15.93,53.83 15.93,50.27 15.27,49.61 14.25,49.61 13.01,48.38 RN8.1
Net-(RN10C-R3.2): length 26.7
  Bottom w0.08: RN8.3 12.46,47.38 12.18,47.67 12.18,48.15 12.2,48.17 12.2,48.42 11.75,48.86 9.85,48.86 9.6,48.61 9.6,47.85 9.13,47.38 RN10.6 8.93,47.38 8.45,47.85 8.45,52.17 8.63,52.34 9.29,52.34 9.45,52.18 9.45,49.94 9.58,49.82 12.62,49.82 13.18,50.38 13.18,52.89 13.6,53.3 14.43,53.3 14.46,53.27 14.94,53.27 15.43,53.76 15.43,54.12 17.23,55.92 RN12.5
Net-(RN10D-R4.1): length 8.7
  Bottom w0.08: RN10.4 10.03,46.37 10.14,46.25 12.28,46.25 12.37,46.16 14.11,46.16 14.6,46.65 14.6,47.56 14.5,47.66 13.81,47.66 13.52,47.37 13.39,47.37
  Bottom w0.1: RN8.4 12.89,46.88 13.39,47.37
Net-(RN10D-R4.2): length 19
  In1.Cu w0.08: v1(16.83,50.32) 16.82,50.3 v1(12.67,50.3)
  In2.Cu w0.08: v1(12.22,45.62) 12.67,46.07 v1(12.67,50.3)
  Bottom w0.08: v1(12.67,50.3) 12.67,51.21 U10.11 ; RN10.5 9.03,46.29 9.69,45.62 v1(12.22,45.62) ; RN12.4 17.67,54.92 17.67,54.4 16.83,53.56 v1(16.83,50.32)
Net-(RN12B-R2.1): length 21.8
  Bottom w0.08: RN12.2 18.67,54.59 18.71,54.55 19.56,54.55 19.56,57.07 19.8,57.31 21.97,57.31 22.18,57.52 22.88,57.52 22.99,57.41 25.32,57.41 25.59,57.15 25.59,54.32 27.69,52.22 U1807.11 27.28,50.84 27.28,47.02 27.14,46.88 RN19.5
Net-(RN12B-R2.2): length 20.8
  In2.Cu w0.08: v1(25.83,57.02) 26.09,56.75 26.09,49.81 26.4,49.5 26.4,47.86 26.09,47.55 v1(26.09,47.54)
  Bottom w0.08: v1(25.83,57.02) 25.83,57.13 25.39,57.57 23.05,57.57 22.93,57.69 22,57.69 21.77,57.47 19.74,57.47 18.67,56.39 RN12.7 ; RN19.6 RN4.3 25.93,47.38 v1(26.09,47.54)
Net-(RN12C-R3.1): length 15.8
  In2.Cu w0.08: v1(24.31,54.49) 24.31,54.44 24.32,54.43 24.32,53.69 24.83,53.17 24.83,51.71 24.44,51.31 v1(24.44,49.27)
  Bottom w0.08: 18.17,54.78 RN12.3 18.17,54.82 18.78,54.21 19.59,54.21 20.02,53.78 21.87,53.78 21.87,53.78 22.01,53.78 22.01,53.78 23.73,53.78 24.31,54.36 v1(24.31,54.49) ; v1(24.44,49.27) 24.44,49.2 RN4.1 25.4,48.38 25.98,47.8 26.73,47.8 RN19.7
Net-(RN12C-R3.2): length 18.5
  In1.Cu w0.08: v1(21.2,52.7) 21.61,52.7 21.95,52.36 22.96,52.36 23.23,52.62 v1(24.22,52.62)
  In2.Cu w0.08: v1(21.2,52.7) 21.21,52.71 21.21,57.56 v1(21.36,57.71)
  Bottom w0.08: RN12.6 18.17,56.56 19.31,57.71 v1(21.36,57.71) ; v1(24.22,52.62) 23.88,52.28 U1807.14 23.88,50.97 26.47,48.38 RN19.8
Net-(RN13A-R1.2): length 10.7
  In2.Cu w0.08: v1(37.41,55.27) 37.41,49.47 v1(37.31,49.37)
  Bottom w0.08: v1(37.41,55.27) 37.47,55.33 U11.1 U11.2 ; v1(37.31,49.37) 38.46,49.37 39.45,48.38 RN13.8
Net-(RN13C-R3.2): length 19.6
  In1.Cu w0.08: v1(46.04,47.23) 45.87,47.4 38.99,47.4 v1(38.97,47.38)
  In2.Cu w0.08: v1(46.04,47.23) 46.04,56.29 v1(46.25,56.5)
  Bottom w0.08: U11.6 U11.7 45.45,56.5 v1(46.25,56.5) ; RN13.6 v1(38.97,47.38)
Net-(RN16A-R1.2): length 7.5
  Bottom w0.08: RN16.8 44.59,49.11 43.81,49.88 U11.9 43.81,52.67 44.05,52.91 44.68,52.91 45.09,52.51 U11.8
Net-(RN16C-R3.2): length 13.3
  In1.Cu w0.08: v1(44.24,50.04) 44.22,50.05 42.28,50.05 42.03,50.31 37.16,50.31 v1(37.03,50.18)
  Bottom w0.08: v1(37.03,50.18) 37.03,50.74 U11.14 U11.13 ; RN16.6 44.92,47.38 45.11,47.56 45.11,49.17 v1(44.24,50.04)
Net-(RN19A-R1.1): length 7.2
  Bottom w0.08: RN4.7 24.36,47.88 24.68,47.56 24.68,46.77 25.06,46.4 28.01,46.4 28.19,46.57 28.19,48.32 28.14,48.38 RN19.1
Net-(RN19D-R4.1): length 2.8
  Bottom w0.08: RN19.4 27.49,46.56 25.58,46.56 RN4.4
Net-(SW3-S1): length 21.6
  Top w0.3: SW3.2 9.53,70.92 v3(9.53,70.92)
  In1.Cu w0.15: v1(26.04,71.4) 25.98,71.47 20.8,71.47 20.74,71.4 17.75,71.4 15.72,69.37 14.82,69.37 13.68,70.52 v3(9.3,70.52)
  Bottom w0.3: v3(9.53,70.92) 9.53,71.46 v3(9.55,71.48) ; v3(9.53,70.92) v3(9.02,70.92) ; v3(9.53,70.92) 9.53,70.75 v3(9.3,70.52) ; v3(9.53,70.92) v3(9.02,71.42) ; R22.1 v1(26.04,71.4)
Net-(TP28-Pin_1): length 7.5
  Top w0.08: TP28.1 14.64,67.76 14.68,67.76
  Bottom w0.08: v1(14.6,67.71) 15.18,67.71 15.69,67.19 15.69,66.3 16.18,65.82 17.91,65.82 18.29,65.44 R36.1 18.29,64.55 R37.2
Net-(TP28-Pin_2): length 17.5
  Top w0.08: v1(11.13,64.79) 11.07,64.74
  In1.Cu w0.1: v1(19.23,61.12) 15.98,61.12 v1(14.71,59.85)
  Bottom w0.08: R38.2 18.29,63.28 R37.1
  Bottom w0.1: v1(19.23,61.12) 18.73,61.12 17.7,62.15 17.7,62.94 R37.1 ; v1(11.13,64.79) 10.9,64.56 10.9,62.85 11.46,62.29 12.27,62.29 v1(14.71,59.85)
Net-(TP28-Pin_3): length 45
  Top w0.08: v1(9.37,80.75) 10.69,80.75 13.03,78.42 15.82,78.42 18.21,76.03 v1(19.05,76.03)
  In2.Cu w0.08: v1(5.77,79.05) 4.12,79.05 3.07,78 3.07,75.9 0.76,73.59 0.76,59.14 1.4,58.5 v1(2.44,58.5)
  Bottom w0.08: v1(19.05,76.03) 19.25,76.23 R32.2 20.07,76.74 20.84,76.74 21.07,76.51 21.07,75.45 R33.1 ; v1(9.37,80.75) 9.22,80.6 8.08,80.6 6.53,79.05 v1(5.77,79.05)
Net-(U5-USB_DM): length 1
  Top w0.25: v1(71.88,71.3) 71.56,71.3 U5.66
  Bottom w0.15: R86.2 71.92,71.33 v1(71.88,71.3)
Net-(U5-USB_DP): length 2.5
  Top w0.25: v1(71.25,71.93) 71.25,71.55 U5.67
  Bottom w0.25: v1(71.25,71.93) 71.11,72.07 R85.2
Net-(U5-VREG_FB): length 1.9
  Top w0.25: U5.65 71.18,70.36 70.85,70.36 v1(70.7,70.5)
  Bottom w0.25: R80.2 70.55,70.5 v1(70.7,70.5)
Net-(U7C--): length 8.5
  Bottom w0.08: U7.9 59.06,53.46 59.3,53.7 60.1,53.7 60.33,53.47 U7.8 60.83,50.64 R81.1
Net-(U7D--): length 3.8
  Bottom w0.08: R87.1 52.7,49.33 U7.14 U7.13
unconnected-(TP28-Pin_5-Pad5): length 13.5
  Top w0.08: TP28.5 2.03,59.77 v1(1.7,59.44)
  In2.Cu w0.08: v1(1.79,69.86) 1.91,69.74 1.91,59.65 v1(1.7,59.44)
  Bottom w0.08: 3.32,69.45 2.2,69.45 v1(1.79,69.86)
unconnected-(TP28-Pin_6-Pad6): length 7.5
  Top w0.08: TP28.6 3.07,60.69 3.07,59.9 v1(3.12,59.85)
  In2.Cu w0.08: v1(3.12,59.85) 3.56,59.42 3.56,58.18 3.33,57.94 3.33,57.11 3.94,56.5 v1(3.94,55.33)
  Bottom w0.08: v1(3.94,55.33) 3.94,55.93 3.32,56.55

## Copper pours and planes (outline as drawn; the poured copper is in the pictures)
GND on Top: 82.92,47.62 -0.9,47.62 -0.9,50.16 82.92,50.16
GND on Top: 82.91,47.62 82.78,-1.08 79.38,-1.08 79.38,47.62
GND on Top: -1.27,1.27 -1.27,50.17 3.18,50.17 3.18,1.27
GND on Top: -0.49,4.44 83.33,4.44 83.33,-0.64 -0.49,-0.64
GND on Top: -35.97,46.01 -1.41,46.6 3.7,50.16 3.7,52.19 4.94,52.7 77.59,52.7 78.88,52.19 78.88,50.16 82.92,47.62 119.28,47.81 116.56,117.63 -35.61,115.96
GND on Top: 1.31,63.34 1.31,60.55 1.64,59.81 3.42,60.06 4.44,60.32 3.93,62.09 4.69,62.35 4.18,63.62 3.93,64.38 2.4,63.87
GND on Top, Bottom, In1.Cu, In2.Cu: 250.32,75.12 155.54,75.12 153.84,73.42 153.84,-11.21 155.33,-12.7 248.83,-12.7 252.66,-8.87 252.66,72.28 250.1,74.84 250.32,75.06
GND on Bottom, In1.Cu, In2.Cu: -7.19,110.73 116.48,117.43 124.33,-27.09 -38.13,-32.02 -35,92.16 -28.73,108.72
(no net) on Top: 13.06,69.04 13.33,68.99 13.79,68.79 14.07,68.61 14.33,68.36 14.53,68.13 14.73,67.8 14.88,67.44 15.01,67.01 15.09,66.58 15.09,66.15 15.06,65.67 14.96,65.21 14.78,64.75 14.55,64.35 14.33,64.07 14.1,63.84 13.64,63.53 13.13,63.38 12.73,63.36 12.37,63.43 12.01,63.56 11.71,63.76 11.41,64.01 11.18,64.29 10.84,64.98 10.72,65.31 10.64,65.71 10.59,66.12 10.62,66.56 10.69,67.04 10.85,67.52 11.07,67.95 11.35,68.33 11.68,68.64 11.99,68.84 12.4,68.99 12.62,69.04
1 on Top: 5.71,47.62 5.71,27.31 3.18,27.31 3.18,47.62
2 on Top: 8.25,47.62 8.25,27.31 5.71,27.31 5.71,47.62
3 on Top: 10.79,47.62 10.79,27.31 8.25,27.31 8.25,47.62
4 on Top: 13.33,47.62 13.33,27.31 10.79,27.31 10.79,47.62
5 on Top: 15.88,47.62 15.88,27.31 13.33,27.31 13.33,47.62
6 on Top: 18.42,47.62 18.42,27.31 15.88,27.31 15.88,47.62
7 on Top: 20.96,47.62 20.96,27.31 18.42,27.31 18.42,47.62
8 on Top: 23.5,47.62 23.5,27.31 20.96,27.31 20.96,47.62
9 on Top: 26.04,47.62 26.04,27.31 23.5,27.31 23.5,47.62
10 on Top: 28.57,47.62 28.57,27.31 26.04,27.31 26.04,47.62
11 on Top: 31.11,47.62 31.11,27.31 28.57,27.31 28.57,47.62
12 on Top: 33.66,47.62 33.66,27.31 31.11,27.31 31.11,47.62
13 on Top: 36.2,47.62 36.2,27.31 33.66,27.31 33.66,47.62
14 on Top: 38.73,47.62 38.73,27.31 36.2,27.31 36.2,47.62
15 on Top: 41.28,47.62 41.28,27.31 38.73,27.31 38.73,47.62
16 on Top: 43.81,47.62 43.81,27.31 41.28,27.31 41.28,47.62
17 on Top: 46.36,47.62 46.36,27.31 43.81,27.31 43.81,47.62
18 on Top: 48.9,47.62 48.9,27.31 46.36,27.31 46.36,47.62
19 on Top: 51.44,47.62 51.44,27.31 48.9,27.31 48.9,47.62
20 on Top: 53.98,47.62 53.98,27.31 51.44,27.31 51.44,47.62
21 on Top: 56.52,47.62 56.52,27.31 53.98,27.31 53.98,47.62
22 on Top: 59.06,47.62 59.06,27.31 56.52,27.31 56.52,47.62
23 on Top: 61.59,47.62 61.59,27.31 59.06,27.31 59.06,47.62
24 on Top: 64.14,47.62 64.14,27.31 61.59,27.31 61.59,47.62
25 on Top: 66.67,47.62 66.67,27.31 64.14,27.31 64.14,47.62
26 on Top: 69.22,47.62 69.22,27.31 66.67,27.31 66.67,47.62
27 on Top: 71.76,47.62 71.76,27.31 69.22,27.31 69.22,47.62
28 on Top: 74.3,47.62 74.3,27.31 71.76,27.31 71.76,47.62
29 on Top: 76.84,47.62 76.84,27.31 74.3,27.31 74.3,47.62
30 on Top: 79.38,47.62 79.38,27.31 76.84,27.31 76.84,47.62
31 on Top: 5.71,27.31 5.71,6.99 3.18,6.99 3.18,27.31
32 on Top: 8.25,27.31 8.25,6.99 5.71,6.99 5.71,27.31
33 on Top: 10.79,27.31 10.79,6.99 8.25,6.99 8.25,27.31
34 on Top: 13.33,27.31 13.33,6.99 10.79,6.99 10.79,27.31
35 on Top: 15.88,27.31 15.88,6.99 13.33,6.99 13.33,27.31
36 on Top: 18.42,27.31 18.42,6.99 15.88,6.99 15.88,27.31
37 on Top: 20.96,27.31 20.96,6.99 18.42,6.99 18.42,27.31
38 on Top: 23.5,27.31 23.5,6.99 20.96,6.99 20.96,27.31
39 on Top: 26.04,27.31 26.04,6.99 23.5,6.99 23.5,27.31
40 on Top: 28.57,27.31 28.57,6.99 26.04,6.99 26.04,27.31
41 on Top: 31.11,27.31 31.11,6.99 28.57,6.99 28.57,27.31
42 on Top: 33.66,27.31 33.66,6.99 31.11,6.99 31.11,27.31
43 on Top: 36.2,27.31 36.2,6.99 33.66,6.99 33.66,27.31
44 on Top: 38.73,27.31 38.73,6.99 36.2,6.99 36.2,27.31
45 on Top: 41.28,27.31 41.28,6.99 38.73,6.99 38.73,27.31
46 on Top: 43.81,27.31 43.81,6.99 41.28,6.99 41.28,27.31
47 on Top: 46.36,27.31 46.36,6.99 43.81,6.99 43.81,27.31
48 on Top: 48.9,27.31 48.9,6.99 46.36,6.99 46.36,27.31
49 on Top: 51.44,27.31 51.44,6.99 48.9,6.99 48.9,27.31
50 on Top: 53.98,27.31 53.98,6.99 51.44,6.99 51.44,27.31
51 on Top: 56.52,27.31 56.52,6.99 53.98,6.99 53.98,27.31
52 on Top: 59.06,27.31 59.06,6.99 56.52,6.99 56.52,27.31
53 on Top: 61.59,27.31 61.59,6.99 59.06,6.99 59.06,27.31
54 on Top: 64.14,27.31 64.14,6.99 61.59,6.99 61.59,27.31
55 on Top: 66.67,27.31 66.67,6.99 64.14,6.99 64.14,27.31
56 on Top: 69.22,27.31 69.22,6.99 66.67,6.99 66.67,27.31
57 on Top: 71.76,27.31 71.76,6.99 69.22,6.99 69.22,27.31
58 on Top: 74.3,27.31 74.3,6.99 71.76,6.99 71.76,27.31
59 on Top: 76.84,27.31 76.84,6.99 74.3,6.99 74.3,27.31
60 on Top: 79.38,27.31 79.38,6.99 76.84,6.99 76.84,27.31
BOTTOM_RAIL on Top: 2.68,6.98 80.15,6.98 80.15,4.44 2.68,4.44
GPIO_6 on Top: 1.35,55.35 1.32,56.98 1.3,57.11 1.3,59.09 1.37,59.14 1.37,59.39 1.35,59.47 1.32,59.57 1.32,63.63 0.99,63.76 0.94,66.38 0.91,66.5 1.22,66.58 2.08,66.91 2.11,66.94 2.11,67.5 2.54,67.34 3.48,68.23 4.8,67.88 4.85,67.83 5.82,67.42 5.97,67.37 5.97,67.32 5.99,67.11 10.7,65.09 10.85,64.83 11.18,64.29 11.41,64.01 11.65,63.79 12.01,63.56 12.54,63.38 12.91,63.07 12.71,63.05 12.56,63.01 12.38,62.66 12.43,62.31 10.38,62.18 10.32,61.8 12.58,60.99 9.61,60.9 9.55,60.48 12.7,59.48 9.15,59.44 9.15,59.01 13.07,57.81 9.03,57.89 8.97,57.41 12.76,56.4 9.19,56.13 9.16,55.73 13.05,54.78 8.33,54.8 3.96,55.79 1.96,55.35
GPIO_7 on Top: outline of 118 points within 8.77,54.78 21.13,63.76
TOP_RAIL on Top: 3.7,52.19 4.94,52.7 77.59,52.7 78.88,52.19 78.88,50.16 3.7,50.16

Small or netless copper shapes (teardrops, artwork), in the pictures only: 28 on Top, 7 on Bottom

## Text on the board
B.Silkscreen: - | RP6 | I2C 1 | SDA | RP7 | I2C 0 | SCL | GND | 27 | 26 | 24 | 19 | 18 | 23 | 25 | S | G | 3 | M | Probe | 2 | 1 | B | T | P | DAC 1 | I Sense | -9V | +9V | 5V | DIO | CLK | OLED | Made with love by Elecrow in Shenzhen | D1    D0   RST  GND   D2    D3    D4    D5    D6    D7    D8    D9    D10   D11   D12 | VIN  GND  RST  5V    A7    A6    A5    A4    A3    A2    A1    A0 AREF 3.3V  D13 | 0 | ADC | DAC | E | A | F | I | J | L | K | C | H | D | R SENSE | I SENSE
User.Comments: PCB3D_TL_V5 | PCB3D_BR_V5
User.2: PCB3D_TL_MAIN
